# Allegro board rt1064_som_wifi.brd (continued)
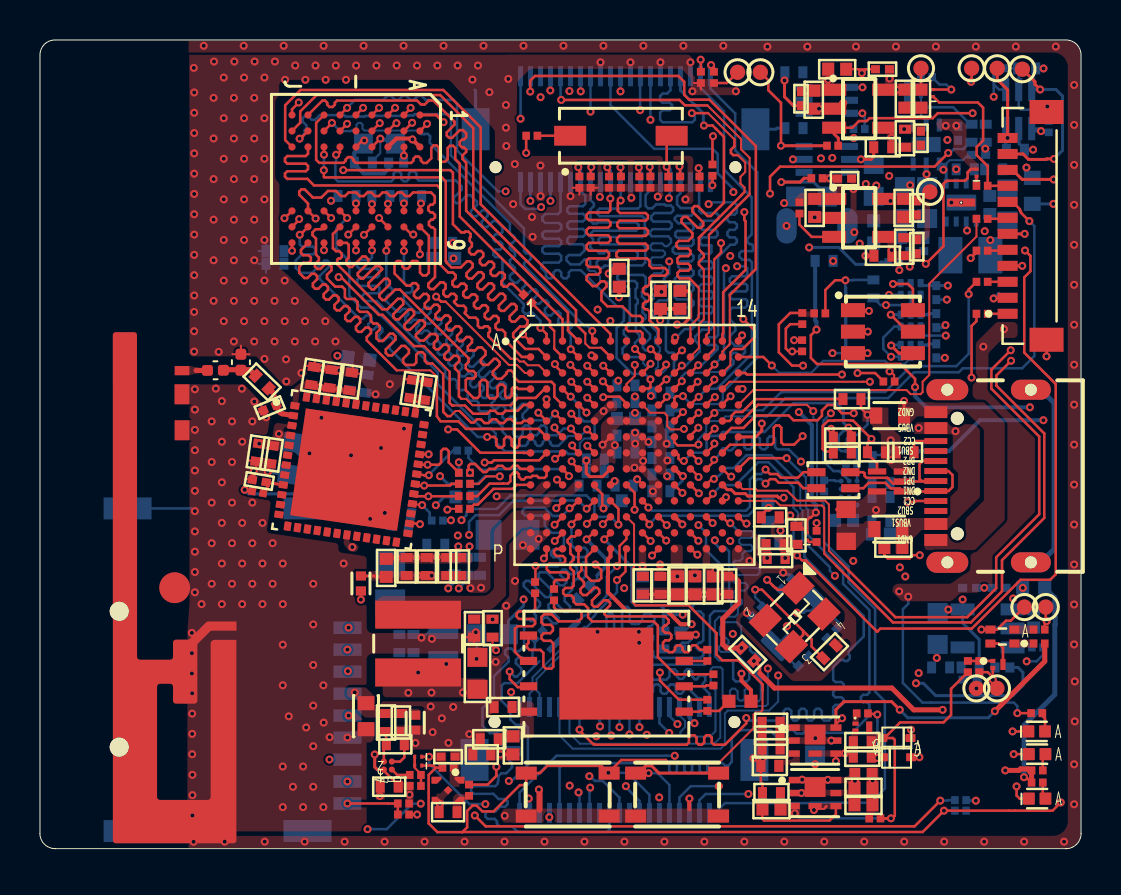
[diagram p0: board, top side]
## Routing (per net, layer and track width the routed paths; a pad name or vN(x,y) marks a point on that pad's centre or on a via; arc(x,y) is an arc through that point) (continued)
GND_EARTH: length 10.2
  BOTTOM w0.254: J2.G2 50.08,22.97 50.75,22.3 50.75,14.99 50.08,14.33 J2.G1
VBUS:
  vias: v1(43.97,21.05) v1(45.81,20.89)
VDD_1V1_CAP: length 0.3
  TOP w0.2: 31.76,13.82 31.9,13.68 C56.1 v1(31.9,13.63)
  BOTTOM w0.2: 31.82,13.63 v1(31.9,13.63)
VDD_2V5_CAP:
  vias: v1(30.16,14.15)
VDD_HIGH_IN_3V3: length 5.5
  TOP w0.25: C9.1 34.71,13.63 34.96,13.38 34.96,12.3 34.17,11.5 34.17,10.23 34.35,10.04 v1(35.1,10.04)
  BOTTOM w0.15: v1(33.81,13.95) 33.69,13.82 C51.1
VDD_SNVS_3V3: length 54.1
  TOP w0.127: v1(43.79,23.1) 43.79,23.51 43.05,24.25 38.88,24.25 38.58,24.56 38.58,25.7 v1(38.86,25.98) ; C142.1 37.85,16.13 38.06,16.13 38.38,15.81 ; 38.38,15.81 D11.A ; 38.38,15.81 38.38,16.46 38.5,16.57 38.58,16.57 v1(38.83,16.82)
  SIG1 w0.2: v1(49.54,22.09) 50.37,22.09 50.78,21.68 50.78,14.63 50.79,14.62 50.79,14.04 50.78,14.03 50.78,2.88 50.56,2.67 48.49,2.67 48.49,2.66 47.1,2.66 v1(46.83,2.4)
  SIG1 w0.25: v1(37.98,21.85) 38.61,22.48 38.61,24.03 38.86,24.28 v1(38.86,25.98)
  BOTTOM w0.15: R42.1 46.37,2.4 v1(46.83,2.4)
  BOTTOM w0.2: v1(38.83,16.82) 38.83,17.21 38.63,17.41 38.63,21.2 v1(37.98,21.85) ; v1(49.54,22.09) 44.34,22.09 43.79,22.64 v1(43.79,23.1) ; v1(38.86,25.98) 38.86,26.37 38.79,26.43 38.79,28.92 R131.2
VDD_SNVS_CAP: length 1.1
  TOP w0.127: 32.15,16.21 U3.M10
  TOP w0.2: v1(32.15,16.23) 31.77,16.61 U3.M10
  vias: v1(32.77,13.68)
VDD_SNVS_IN: length 1
  TOP w0.127: R41.2 v1(38.86,16.3) ; U3.M9 v1(31.36,16.19)
  vias: v1(31.03,14.22)
VDD_SOC_IN: length 1.7
  TOP w0.127: U3.H9 31.03,19.81 31.03,19.8 ; U3.G6 28.25,20.3 28.24,20.3 v1(28.15,20.22) ; U3.G9 30.97,20.61
  BOTTOM w0.2: C42.1 31.36,20.96 31.36,20.35 ; 31.36,20.35 v1(31.36,20.27) ; 31.36,20.35 C43.1
  vias: v1(20.91,15.67) v1(20.93,15.13) v1(21.5,15.12) v1(28.77,20.19) v1(31.4,19.43) v1(31.38,18.64)
VDD_USB_3V: length 2.9
  TOP w0.127: v1(29.88,18.49) 29.89,18.49 30.15,18.23 U3.K8
  BOTTOM w0.15: v1(24.2,12.48) 24.2,12.16 23.45,11.41 C106.1 ; C107.1 29.68,18.29 v1(29.88,18.49)
  BOTTOM w0.2: 29.82,18.49 v1(29.88,18.49)
VDD_WIFI: length 6.7
  TOP w0.127: U27.26 18.99,16.27 v1(19.02,16.24)
  TOP w0.15: 18.47,16.29 U27.26 ; R537.1 v1(10.25,17.96)
  BOTTOM w0.127: 12.67,20.02 C253.1
  BOTTOM w0.15: v1(10.24,17.96) 10.45,17.76 13,17.76 13.27,18.03 13.27,19.42 12.67,20.02
  vias: v1(10.98,20.27) v1(11.96,20.76) v1(14.02,23.09) v1(14.97,22.98) v1(15.63,15.09) v1(18.84,22.22)
VDDA_ADC_3V3:
  vias: v1(36.39,14.55)
#MR: length 1.5
  BOTTOM w0.102: D6.A D8.A 44.09,36.68 44.35,36.42 U2.5
DBG_RX: length 4.8
  TOP w0.15: TP4.1 47.9,38.5 48.42,37.98 v1(48.42,35.57)
  BOTTOM w0.15: R109.1 48.33,35.02 U16.3
DBG_TX: length 8.8
  TOP w0.15: J4.11 49.19,34.77 49.47,34.5 50.35,34.5 50.38,34.52 v1(50.74,34.52) ; v1(50.05,37.99) 49.79,38.25 49.79,38.38 TP5.1
  BOTTOM w0.15: U16.6 v1(50.05,37.99) 50.84,37.99 51.17,37.67 51.17,34.94 v1(50.74,34.52)
DC_5V_IN: length 19.5
  TOP w0.102: 39.83,6.22 v1(40.14,6.53)
  TOP w0.15: v1(43.02,6.95) 42.62,7.36 40.24,7.36 39.83,6.95 Q1.6
  TOP w0.25: R3.1 50.28,9.38 v1(47.78,6.88)
  BOTTOM w0.127: J6.19 28.5,5.75 v1(28.59,5.66) ; v1(31.9,6.23) 31.5,6.64 J6.31 ; J6.23 v1(29.5,5.72)
  BOTTOM w0.15: J6.15 27.5,7.46 ; v1(43.02,6.95) 43.42,6.55 47.46,6.55 v1(47.78,6.88)
  BOTTOM w0.18: J6.35 32.5,6.55 32.55,6.5 32.55,6.48 v1(32.75,6.28)
  vias: v1(27.84,5.62) v1(30.37,5.7) v1(38.8,5.53) v1(39.6,5.41)
DCDC_3V3: length 81.7
  TOP w0.102: v1(42.51,23.89) 42.56,23.89 42.74,23.7 42.74,23.4 R83.1
  TOP w0.127: R49.1 39.7,20.87 39.59,20.98 v1(39.59,21.01) ; R24.1 49.38,3.55 49.36,3.55 49.34,3.57 v1(49.24,3.57) ; 39.52,24.8 v1(39.66,24.8) ; v1(22.84,4.1) 22.84,3.64 22.4,3.21 R45.1 ; R56.1 v1(24.33,34.82) ; R58.1 39.3,27.96 39.79,28.45 v1(40.31,28.45) ; 46.42,33.84 46.42,33.56 46.29,33.43 45.39,33.43 45.36,33.4 45.34,33.4 45.21,33.28 45.21,30.15 v1(44.33,29.27) ; TP9.1 36.45,38.46 36.45,37.96 37.08,37.33 v1(37.08,35.18) ; C126.1 17.93,3.18 17.21,3.9 17.21,3.96 ; v1(47.72,27.54) 47.74,27.54 47.77,27.57 J4.2
  TOP w0.15: D12.A 46.59,34.01 46.42,33.84 ; 36.02,8.77 36.02,9.12 FB2.1 ; R23.1 v1(37.08,35.18) ; L12.1 v1(16.06,12.46) ; v1(16.75,4.71) 16.75,4.08 16.88,3.96 17.21,3.96
  TOP w0.16: v1(31.88,26.23) 32.18,26.23 32.56,26.61 32.56,27.76 32.4,27.92 FB5.1
  TOP w0.2: v1(28.46,28.78) 28.7,29.02 FB4.1
  TOP w0.25: R24.1 R132.1 49.49,3.92 49.41,3.99 49.07,3.99 49,3.92 v1(48.3,3.92) ; 36.02,8.77 36.76,8.04 42.63,8.04 43.72,6.95 v1(45.17,6.95)
  SIG1 w0.127: v1(39.66,24.8) 39.66,24.25 39.33,23.93 39.33,23.92 39.27,23.86 39.27,22.17 39.12,22.02 39.12,21.48 v1(39.59,21.01)
  SIG1 w0.25: v1(45.17,6.95) 45.17,4.43 45.68,3.92 v1(48.3,3.92)
  GND3 w0.2: 22.44,4.09 22.45,4.1 v1(22.84,4.1)
  GND3 w0.25: 22.44,4.09 20.63,4.09 19.24,2.7 v1(18.49,2.7)
  BOTTOM w0.102: FB9.1 36.97,15.36 37.06,15.45 v1(37.06,15.92)
  BOTTOM w0.127: v1(39.59,21.01) 39.59,19.42 39.75,19.26 R85.1 ; 40.32,28.08 40.31,28.09 v1(40.31,28.45) 40.66,28.45 40.67,28.46 R48.1 ; v1(39.66,24.8) R130.2 ; R107.1 50.47,36.41 49.9,36.98 49.09,36.98 48.98,37.09 48.98,37.24 48.98,37.24 U16.5 48.98,39 C112.2 48.31,39.05 R108.1 ; 44.85,25.24 C136.1 ; L4.1 v1(20.69,29.54)
  BOTTOM w0.15: U23.6 44.42,25.21 44.47,25.26 C136.1 ; U22.6 44.42,26.72 44.47,26.78 C127.1 ; R538.1 v1(14.88,24.67) ; v1(47.72,27.54) 47.98,27.8 ; v1(45.43,28.18) C128.1 44.2,28.18 U21.6
  BOTTOM w0.17: R130.2 R129.2 R128.1 40.32,28.08
  BOTTOM w0.25: R27.1 50.78,12.55 50.78,11.59 50.8,11.57 50.8,11.21 50.78,11.19 50.78,7.71 49.24,6.17 49.24,3.99 49.24,3.99 v1(49.24,3.57)
  vias: v1(35.73,9.39) v1(45.33,36.18) v1(45.86,36.18) v1(47.28,30.9) v1(47.56,30.46) v1(49.36,34.09)
DCDC_3V3_PG: length 15
  TOP w0.127: R23.2 39.94,35.19 ; U4.3 40.65,36.08 40.98,36.42 41.37,36.42 41.51,36.56 44.67,36.56 44.92,36.81 v1(46.67,36.81)
  TOP w0.15: R23.2 39.95,35.19 39.95,35.56 39.74,35.77 U4.3
  SIG1 w0.127: v1(46.39,30.94) 47.11,31.65 47.11,34.3 46.67,34.74 v1(46.67,36.81)
  BOTTOM w0.127: v1(46.39,30.94) 46.39,31 46.35,31.04 U1.6
DCDC_OUT: length 1.6
  TOP w0.17: v1(18.92,8.81) 19.9,8.81 v1(20.33,9.24)
  vias: v1(18.43,7.8) v1(19.59,7.81) v1(21.16,7.82)
DCDC_PSWITCH: length 9.4
  TOP w0.102: v1(25.87,18.47) 25.87,18.46 26.12,18.21 U3.K3
  SIG1 w0.102: v1(22.65,11.47) 22.65,12.06 23.16,12.56 23.16,16.97
  SIG1 w0.127: v1(25.87,18.47) 24.65,18.47 23.16,16.97
EN: length 1.7
  BOTTOM w0.127: Q5.3 40.89,19.63 40.89,19.63 R85.2 40.89,18.71 U11.A1
ENET_INT: length 46.8
  TOP w0.127: v1(46.62,23.58) 46.62,26.16 46.86,26.4 R113.1 ; U3.G13 34.6,21.06 35.2,21.06 35.83,21.68 37.46,21.68 37.71,21.44 38.91,21.44 39.13,21.66 39.13,21.93 39.41,22.21 39.72,22.21 40.13,21.79 v1(40.72,21.79)
  SIG1 w0.127: 43.21,20.91 44.26,19.85 44.26,16.27 43.27,15.28 43.27,14.39 43.83,13.83 43.83,9.2 40.16,5.53 40.16,5.34 39.74,4.91 37.63,4.91 v1(35.45,2.74) ; 43.21,20.91 43,21.12 41.6,21.12 41.4,21.12 v1(40.72,21.79) ; 43.21,20.91 43.26,20.96 43.26,21.35 43.99,22.08 46.43,22.08 46.87,22.51 46.87,23.33 v1(46.62,23.58)
  BOTTOM w0.127: v1(35.45,2.74) 33.31,2.74 33,2.43 J6.38
ENET_RST: length 50
  TOP w0.102: 37.83,22.22 38.38,22.22 v1(38.69,21.9)
  TOP w0.127: R111.1 46.86,29.85 v1(46.57,29.56) ; 37.83,22.22 35.93,22.22 35.12,21.41 U3.F14
  SIG1 w0.102: v1(38.69,21.9) 38.97,22.18 38.97,23.92 39.31,24.25 39.31,25.27 39.56,25.52 41.57,25.52 41.59,25.53 43.18,25.53 43.45,25.26 46.48,25.26 46.91,25.7 46.91,29.22 v1(46.57,29.56)
  BOTTOM w0.102: 39.23,15.35 39.23,17.26 38.89,17.6 38.89,21.37 38.69,21.56 v1(38.69,21.9)
  BOTTOM w0.127: 39.23,15.35 40.46,14.11 40.46,13.33 41.8,12 41.8,7.86 42.28,7.38 42.28,3.01 41.57,2.3 38.58,2.3 38.56,2.28 34.28,2.28 33.79,1.79 J6.40
FAULT#: length 9.4
  TOP w0.127: v1(40.91,23.8) 41.79,23.8 42.21,23.39 42.21,23.38
  SIG1 w0.127: v1(40.91,23.8) 40.52,24.19 39.97,24.19 39.58,23.79 v1(39.58,21.79)
  BOTTOM w0.127: U11.A2 40.49,18.41 40.01,18.9 39.7,18.9 39.21,19.39 39.21,21.42 v1(39.58,21.79)
FB_U4:
  vias: v1(42.61,35.58)
FLASH_D0: length 11
  TOP w0.127: U20.5 24.44,10.3 24.37,10.22 24.37,10.07 24.5,9.95 25.04,9.95 25.19,9.8 25.19,9.13 25.31,9.01 25.59,9.01 25.69,9.11 25.69,10.27 25.56,10.4 25.21,10.4 25.1,10.51 25.1,10.67 25.21,10.78 25.54,10.78 25.67,10.91 25.67,11.09 25.56,11.2 25.21,11.2 25.1,11.31 25.1,11.6 25.23,11.73 25.61,11.73 25.96,11.38 26.95,11.38 27.1,11.53 27.1,11.83 26.99,11.94 25.86,11.94 25.72,12.08 R100.1
FLASH_D1: length 1.5
  TOP w0.127: U20.2 33.29,8.12 33.34,8.17 R102.1
FLASH_D2: length 1.2
  TOP w0.127: U20.3 R103.1
FLASH_D3: length 5.1
  TOP w0.127: U20.7 24.41,8.08 23.91,8.08 23.5,8.48 v1(23.5,8.86)
  BOTTOM w0.127: R104.1 24.76,10.49 24.76,10.06 24.65,9.94 24.65,9.5 24.51,9.36 24.33,9.36 24.13,9.56 23.93,9.56 23.82,9.44 23.82,9.28 24.09,9.01 24.09,8.83 23.87,8.61 23.82,8.61 23.81,8.61 23.75,8.61 v1(23.5,8.86)
FLASH_V: length 0.2
  TOP w0.15: 24.42,6.81 24.19,6.81
FLASH_VCC: length 10.7
  TOP w0.127: R97.1 35.58,7.37
  TOP w0.2: 35.58,7.37 35.58,7.93 35.1,8.41 v1(35.1,8.76) ; FB8.2 v1(23.04,4.72)
  BOTTOM w0.15: FB7.1 36.94,16.36 37.22,16.36 v1(37.55,16.68) ; v1(43.84,8.28) 44.2,8.28 44.82,7.66 46.69,7.66 46.7,7.64 47.02,7.64 47.03,7.66 48.68,7.66 49.19,8.16 49.19,8.82 48.94,9.07 L11.2
  vias: v1(43.03,14.08) v1(43.3,13.62) v1(43.97,8.79)
FLEXSPI_CLK: length 10.6
  TOP w0.127: R105.1 24.81,13.4 24.8,13.41 v1(24.8,14.15) ; U3.L4 26.93,17.41 26.58,17.06 26.52,17.06 v1(26.5,17.03)
  SIG1 w0.127: v1(26.5,17.03) 26.52,17.06 26.54,17.06
  BOTTOM w0.127: v1(24.8,14.15) 25.04,14.15 25.06,14.13 25.9,14.13 26.05,14.28 26.05,14.46 25.92,14.59 25.69,14.59 25.58,14.7 25.58,14.86 25.69,14.97 25.98,14.97 26.22,15.2 26.22,15.68 26.09,15.81 25.6,15.81 25.27,16.15 25.27,16.54 25.13,16.67 24.28,16.67 24.15,16.8 24.15,16.93 24.28,17.06 25.26,17.06 25.66,16.65 26.12,16.65 v1(26.5,17.03)
FLEXSPI_DATA0: length 5.1
  TOP w0.127: R100.2 25.72,13.35 25.83,13.45 26.34,13.45 26.45,13.56 26.45,13.72 26.34,13.83 25.52,13.83 25.36,13.98 25.36,14.14 25.49,14.27 26.17,14.27 26.28,14.38 26.28,14.54 26.17,14.65 25.83,14.65 25.83,14.66 25.73,14.76 25.73,14.9 25.72,14.9 25.83,15.01 U3.P3
FLEXSPI_DATA1: length 14.6
  TOP w0.127: U3.N4 26.77,15.63 26.58,15.63 26.4,15.45 26.4,15.33 26.5,15.24 26.5,15.24 26.54,15.24 26.54,14.89 26.54,14.77 26.71,14.61 26.71,14.47 26.53,14.29 26.53,14.04 26.69,13.88 26.71,13.88 26.71,13.16 26.6,13.05 26.29,13.05 26.18,12.94 26.18,12.78 26.29,12.67 26.6,12.67 26.71,12.56 26.71,12.36 26.83,12.23 27.23,12.23 27.43,12.03 27.43,11.58 27.63,11.37 30.71,11.37 30.92,11.17 30.92,9.59 31.78,8.72 33.33,8.72 33.34,8.73 R102.2
FLEXSPI_DATA2: length 14.9
  TOP w0.127: U3.P4 26.95,14.75 26.94,14.75 26.94,14.32 27.1,14.16 27.1,13.94 26.94,13.78 26.94,13.62 27.22,13.34 27.22,13.16 27.19,13.13 27.18,13.13 27.05,13 27.05,12.82 27.17,12.69 27.35,12.69 27.72,13.06 27.88,13.06 27.99,12.94 27.99,12.79 27.62,12.42 27.62,12.21 27.72,12.11 27.91,12.11 28.22,12.43 28.41,12.43 28.53,12.3 28.53,12.18 28.24,11.89 28.24,11.74 28.36,11.62 31.28,11.62 31.46,11.44 31.46,11.31 31.34,11.18 31.28,11.18 31.17,11.07 31.17,10.91 31.28,10.8 31.49,10.8 31.59,10.7 31.59,10.54 31.48,10.42 31.29,10.42 31.18,10.31 31.18,10.04 31.29,9.93 31.39,9.93 31.48,9.83 31.66,9.83 31.78,9.95 31.78,10.06 31.88,10.17 32.05,10.17 32.16,10.06 32.16,9.95 32.27,9.83 32.43,9.83 32.55,9.95 32.55,10.07 32.66,10.18 32.82,10.18 32.93,10.07 32.93,10.05 33.03,9.96 R103.2
FLEXSPI_DATA3: length 11.1
  TOP w0.127: v1(27.8,14.22) 28.08,13.94 28.08,13.53 27.96,13.41 27.59,13.41 27.33,13.66 27.33,14.58 U3.P5
  BOTTOM w0.127: R104.2 25.14,10.91 25.14,11.47 25.24,11.56 25.39,11.56 25.68,11.27 25.84,11.27 25.95,11.39 25.95,11.54 25.45,12.05 25.45,12.21 25.57,12.33 25.78,12.33 26.26,11.85 26.42,11.85 26.53,11.96 26.53,12.12 26.25,12.4 26.25,12.58 26.63,12.96 26.63,13.28 26.85,13.5 27.16,13.5 27.16,13.49 27.27,13.6 27.27,13.86 27.1,14.03 27.1,14.23 27.2,14.33 27.34,14.33 27.44,14.22 v1(27.8,14.22)
FLEXSPI_SS0: length 15.7
  TOP w0.127: 25.86,17.06 v1(25.84,17.04) ; 25.86,17.06 25.86,17.06 26.15,17.35 26.15,17.35 ; 25.86,17.06 26.15,17.35 ; v1(31.02,8.81) 31.02,8.41 31.98,7.45 R101.1 ; 26.15,17.35 U3.L3
  SIG1 w0.102: 28.55,16.37 28.55,16.12 29.72,14.95
  SIG1 w0.127: v1(31.02,8.81) 30.72,9.12 30.72,12.8 29.72,13.8 29.72,14.95 ; 28.55,16.37 28.29,16.63 26.24,16.63 v1(25.84,17.04)
GPIO_AD_B0_00: length 47.4
  TOP w0.127: U3.M14 35.29,16.27 v1(35.36,16.27) ; v1(37.89,14.68) 38.14,14.43 38.33,14.43 41.89,10.86 42.05,11.01 46.63,11.01 49.07,13.46 50.55,13.46 50.83,13.73 50.83,23.25 49.25,24.83 49.25,28.59 49.56,28.9 49.56,29.67 v1(49.29,29.94)
  SIG1 w0.127: v1(42.34,27.21) 43.06,27.21 45.79,29.94 v1(49.29,29.94) ; v1(35.36,16.27) 35.36,15.66 35.93,15.08 37.48,15.08 v1(37.89,14.68)
  BOTTOM w0.127: U21.2 43.57,27.35 43.43,27.21 v1(42.34,27.21) 42.06,27.21 R48.2
GPIO_AD_B0_03: length 18.3
  TOP w0.127: U3.G11 32.55,20.67 v1(32.94,21.07)
  SIG1 w0.127: v1(45.33,25.68) 44.97,25.68 44.31,26.34 38.57,26.34 38.22,25.99 38.22,24.73 35.26,21.77 34.48,21.77 34.13,21.42 33.29,21.42 v1(32.94,21.07)
  BOTTOM w0.127: 43.57,26.13 43.57,25.86 43.75,25.68 v1(45.33,25.68)
  BOTTOM w0.15: v1(45.33,25.68) 45.33,25.68
GPIO_AD_B0_04: length 8
  TOP w0.127: R72.2 v1(37.74,25.45) ; U3.F11 v1(32.96,21.81)
  SIG1 w0.127: 33,21.81 v1(32.96,21.81) 33.37,22.22 35.27,22.22 36.99,23.94 36.99,25.05 37.38,25.45 v1(37.74,25.45)
GPIO_AD_B0_05: length 9.7
  TOP w0.127: v1(38.19,24.17) 37.64,24.17 36.97,24.84 36.97,26.24 37.54,26.81 R73.2
  TOP w0.15: U3.G14 35.81,20.61 36.12,20.91 v1(36.12,21.28)
  SIG1 w0.127: v1(36.12,21.28) 36.37,21.53 36.37,21.54 38.19,23.36 v1(38.19,24.17)
GPIO_AD_B1_04: length 40.5
  TOP w0.127: v1(33.67,17.77) 33.66,17.76 33.66,17.7 33.38,17.43 33.37,17.43 U3.L12 ; v1(35.34,6.54) 35.34,6.27 34.28,5.2 33.73,5.2 33.62,5.31 33.62,5.56 33.51,5.67 33.35,5.67 33.24,5.56 33.24,5.31 33.12,5.2 32.97,5.2 32.86,5.31 32.86,5.56 32.74,5.67 32.59,5.67 32.47,5.56 32.47,5.31 32.36,5.2 27.75,5.2 27.72,5.23 27.68,5.23 27,5.91 v1(27,5.96)
  BOTTOM w0.102: 37.93,16.53 37.93,16.83 37.71,17.06
  BOTTOM w0.127: v1(33.67,17.77) 34.1,18.19 34.8,18.19 35.95,19.34 36.46,19.34 37.71,18.09 37.71,17.06 ; 37.93,16.53 37.71,16.31 37.71,15.42 38.25,14.88 38.25,14.6 41.22,11.63 41.22,10.62 40.47,9.87 40.47,9.71 40.52,9.66 40.52,9.51 40.41,9.39 40.25,9.39 40.2,9.44 40.04,9.44 39.69,9.09 39.69,8.45 39.8,8.34 40.11,8.34 40.22,8.23 40.22,8.07 40.11,7.96 39.8,7.96 39.69,7.84 39.69,7.69 39.8,7.58 40.11,7.58 40.22,7.46 40.22,7.31 40.11,7.19 39.8,7.19 39.69,7.08 39.69,6.62 39.48,6.41 39.23,6.41 39.12,6.52 39.12,6.89 39.01,7 38.85,7 38.74,6.89 38.74,6.52 38.63,6.41 38.47,6.41 38.36,6.52 38.36,6.89 38.25,7 38.09,7 37.98,6.89 37.98,6.52 37.87,6.41 37.71,6.41 37.6,6.52 37.6,6.89 37.49,7 37.33,7 37.22,6.89 37.22,6.52 37.11,6.41 35.5,6.41 35.42,6.49 35.4,6.49 v1(35.34,6.54) ; J6.13 v1(27,5.96)
GPIO_AD_B1_05: length 40.4
  TOP w0.127: U3.K12 33.35,18.23 33.67,18.54 33.71,18.54 33.73,18.52 v1(33.73,18.5)
  SIG1 w0.127: v1(39.78,13.65) 39.78,10.42 38.74,9.37 38.73,9.38 38.22,9.38 37.7,8.86 37.7,8.42 37.57,8.29 36.6,8.29 36.27,8.62 35.65,8.62 35.32,8.29 34.7,8.29 34.46,8.54 34.46,10.08 34.27,10.27 33.96,10.27 33.84,10.15 33.84,8.68 33.74,8.58 33.56,8.58 33.38,8.76 33.37,8.76 33.24,8.88 33.24,10.08 33.07,10.25 32.82,10.25 32.65,10.08 32.65,8.74 32.47,8.56 32.29,8.56 32.05,8.8 32.05,10.4 31.88,10.58 31.64,10.58 31.51,10.45 31.51,8.45 31.35,8.29 31.02,8.29 30.51,8.8 30.14,8.8 29.68,8.34 29.68,8.29 28.03,6.64 v1(28.03,6.12)
  BOTTOM w0.102: 38.16,15.45 38.16,16.93 38.05,17.04 38.05,18.24
  BOTTOM w0.127: v1(39.78,13.65) 39.53,13.91 39.53,14.08 38.16,15.45 ; 38.05,18.24 36.6,19.69 35.36,19.69 34.71,19.05 34.36,19.05 33.95,18.64 33.75,18.64 33.73,18.62 v1(33.73,18.5) ; J6.17 28,6.4 28.02,6.38 28.02,6.12 v1(28.03,6.12)
GPIO_AD_B1_06: length 39.9
  TOP w0.127: U3.J12 33.73,19.38 33.73,19.45 v1(33.74,19.46)
  SIG1 w0.127: v1(29,6.08) 29,7.21 29.81,8.03 29.82,8.03 30.13,8.33 30.43,8.33 30.73,8.03 31.56,8.03 31.85,8.31 32.03,8.31 32.32,8.03 32.65,8.03 32.94,8.31 33.12,8.31 33.4,8.04 33.6,8.04 33.6,8.03 33.71,8.03 34,8.32 34.18,8.32 34.51,7.98 35.57,7.98 35.9,8.31 36.08,8.31 36.42,7.97 37.76,7.97 38.12,8.32 38.12,8.73 38.44,9.05 38.84,9.05 40.11,10.32 40.11,10.59 40.22,10.7 40.32,10.7 40.44,10.81 40.44,10.97 40.32,11.08 40.27,11.08 40.16,11.2 40.16,14.07 39.31,14.92 39.31,15.74 39.43,15.87 39.73,15.87 40.52,16.65 40.56,16.65 40.56,16.9 40.44,17.01 40.28,17.01 39.9,16.63 39.75,16.63 39.63,16.74 39.63,16.9 40.01,17.28 40.01,17.44 39.9,17.55 39.75,17.55 39.36,17.17 39.21,17.17 39.09,17.28 39.09,17.44 39.48,17.82 39.48,17.98 39.36,18.09 39.21,18.09 38.83,17.71 38.67,17.71 38.56,17.82 38.56,17.98 38.94,18.36 38.94,18.52 v1(38.08,19.37)
  BOTTOM w0.127: v1(33.74,19.46) 33.99,19.71 33.99,19.72 34.07,19.81 34.07,19.93 34.18,20.04 34.34,20.04 34.44,19.94 34.6,19.94 34.86,20.2 34.86,20.49 34.97,20.6 35.13,20.6 35.24,20.49 35.24,20.1 35.35,19.99 35.53,19.99 35.64,20.1 35.64,20.52 35.75,20.63 35.91,20.63 36.02,20.52 36.02,20.1 36.13,19.99 36.29,19.99 36.4,20.1 36.4,20.52 36.52,20.63 36.67,20.63 36.79,20.52 36.79,20.1 36.9,19.98 37.46,19.98 37.47,19.99 v1(38.08,19.37) ; J6.21 v1(29,6.08)
GPIO_AD_B1_07: length 39.7
  TOP w0.127: U3.K10 31.75,18.2 v1(32.15,17.81)
  SIG1 w0.102: 34.51,19.94 34.09,19.51 34.09,19.32 33.88,19.11 33.59,19.11 33.46,19.24 33.31,19.24 33.15,19.08 33.15,19.08 33.1,19.04 32.87,19.04
  SIG1 w0.12: 29.8,6.93 30,6.93 30.11,7.04 30.11,7.18 30.06,7.24 29.95,7.24 29.81,7.38
  SIG1 w0.127: 29.8,6.93 29.39,6.93 29.29,6.83 29.29,6.64 29.45,6.47 29.9,6.47 30,6.38 30,6.38 v1(30,6.08) ; 34.51,19.94 38.1,19.94 40.79,17.25 40.79,16.51 41,16.3 41,16 40.88,15.89 40.16,15.89 40.05,15.78 40.05,15.62 40.16,15.51 40.94,15.51 41.05,15.39 41.05,15.24 40.94,15.13 40.29,15.13 40.16,15 40.16,14.9 40.3,14.77 40.91,14.77 41.06,14.62 41.06,12.72 40.92,12.58 40.51,12.58 40.4,12.47 40.4,12.31 40.51,12.2 40.92,12.2 41.03,12.09 41.03,11.93 40.92,11.82 40.51,11.82 40.4,11.71 40.4,11.55 40.83,11.12 40.83,10.6 37.9,7.66 32.5,7.66 32.37,7.8 32.02,7.8 31.94,7.71 30.69,7.71 30.47,7.5 30.24,7.5 30.08,7.66 29.94,7.66 29.81,7.52 29.81,7.38 ; v1(32.15,17.81) 32.59,18.24 32.59,18.48 32.59,18.49 32.59,18.75 32.87,19.04
  BOTTOM w0.127: J6.25 v1(30,6.08)
GPIO_AD_B1_08: length 40.9
  TOP w0.127: U3.H13 34.15,19.84 34.52,20.21 35.54,20.21 35.55,20.22 36.61,20.22 36.72,20.33 36.72,21.07 36.83,21.18 36.99,21.18 37.1,21.07 37.1,20.33 37.21,20.22 37.74,20.22 v1(38.17,20.65)
  SIG1 w0.127: v1(31.49,5.79) 31.18,5.48 31.18,5.3 31.41,5.07 31.94,5.07 32.07,5.2 32.07,5.63 32.35,5.91 32.35,6.51 32.23,6.63 31.65,6.63 31.52,6.76 31.52,6.94 31.65,7.07 33.2,7.07 33.32,6.94 33.32,6.14 32.61,5.43 32.61,5.09 32.71,4.99 33.05,4.99 33.16,5.1 33.16,5.25 33.27,5.36 33.43,5.36 33.54,5.25 33.54,5.1 33.65,4.99 33.84,4.99 34.39,5.53 34.39,5.82 33.96,6.24 33.96,6.83 34.09,6.96 38.2,6.96 41.66,10.42 41.66,16.5 41.4,16.76 41.4,17.76 38.52,20.65 v1(38.17,20.65)
  BOTTOM w0.127: J6.29 31,6.28 v1(31.49,5.79)
GPIO_AD_B1_09: length 40.3
  TOP w0.127: U3.M13 34.15,16.61 34.47,16.29 v1(34.55,16.29)
  BOTTOM w0.102: 35.09,10.6 35.09,11.11 34.87,11.33 34.26,11.33 34.03,11.1 34.03,10.7 34.18,10.55 34.33,10.55 34.46,10.42 34.46,10.28 34.37,10.19 34.08,10.19 33.98,10.09 33.98,9.95 34.08,9.85 34.72,9.85 ; J6.33 32.02,7.06 32.02,6.65 32.28,6.39 32.28,6.08 32.05,5.85 32.05,5.71 32.15,5.61 33.53,5.61 33.8,5.88 33.8,7.91 33.57,8.15 33.57,8.98 33.67,9.08 34.06,9.08 34.16,8.98 34.16,7.52 34.26,7.42 34.43,7.42 34.53,7.52 34.53,7.9 34.63,8.01 34.77,8.01 34.91,7.87 34.91,7.51 35.01,7.41 35.16,7.41 35.26,7.52 35.26,7.93 35.37,8.03 35.51,8.03 35.61,7.93 35.61,7.52 35.76,7.37 35.96,7.37 36.08,7.5 ; 34.68,9.31 34.58,9.41 33.97,9.41 33.77,9.61 33.77,11.39 34,11.61 34.78,11.61 34.93,11.75 34.93,12.07 35.13,12.28 35.13,12.42 35.03,12.52 34.79,12.52 34.7,12.61 34.7,12.82 34.8,12.92 35.27,12.92 35.4,13.05 35.4,13.19 35.3,13.29 34.79,13.29 34.7,13.38 34.7,13.6 34.8,13.7 35.92,13.7 36.02,13.8 36.02,13.94 35.91,14.05 34.79,14.05 34.7,14.14 34.7,14.32 34.79,14.41 35.04,14.41 35.16,14.53 35.16,14.76 35.28,14.88 35.56,14.88 35.66,14.99 35.66,15.11 35.56,15.21 35.1,15.21 34.99,15.32 34.99,15.46 35.08,15.55 35.59,15.55 35.69,15.65 35.69,15.8 35.6,15.89 34.94,15.89
  BOTTOM w0.127: 35.09,10.6 35.53,10.16 35.53,9.93 35.67,9.8 35.88,9.8 36.19,9.48 36.19,9.3 36.15,9.27 36.15,9.26 35.85,8.95 35.85,8.68 35.95,8.58 35.96,8.58 36.08,8.45 36.08,7.5 ; 34.72,9.85 35.49,9.07 35.49,8.5 35.37,8.37 34.81,8.37 34.68,8.5 34.68,9.31 ; v1(34.55,16.29) 34.94,15.89
GPIO_AD_B1_10: length 39.8
  TOP w0.127: U3.L13 34.15,17.41 v1(34.33,17.59)
  SIG1 w0.127: v1(34.33,17.59) 34.01,17.27 32.48,17.27 32.35,17.14 32.35,16.8 v1(32.95,16.19)
  BOTTOM w0.102: 28.85,7.75 29.04,7.75
  BOTTOM w0.127: 29.04,7.75 29.15,7.86 29.15,8.11 29.26,8.22 29.42,8.22 29.53,8.11 29.53,7.86 29.65,7.75 29.8,7.75 29.92,7.86 29.92,8.11 30.03,8.22 30.18,8.22 30.3,8.11 30.3,7.86 30.41,7.75 30.57,7.75 30.68,7.86 30.68,8.11 30.79,8.22 30.95,8.22 31.06,8.11 31.06,7.86 31.17,7.75 31.33,7.75 31.44,7.86 31.44,8.11 31.55,8.22 31.71,8.22 31.82,8.11 31.82,7.86 31.93,7.75 32.09,7.75 32.2,7.86 32.2,8.11 32.31,8.22 32.47,8.22 32.58,8.11 32.58,7.88 33,7.46 J6.37 ; 28.85,7.75 28.74,7.86 28.74,8.11 28.63,8.22 28.47,8.22 28.36,8.11 28.36,7.86 28.25,7.75 27.67,7.75 27.41,8.01 26.18,8.01 26.05,8.14 26.05,8.48 28.35,10.78 28.35,11.64 28.46,11.75 28.62,11.75 28.73,11.64 28.73,10.89 28.86,10.76 29.02,10.76 29.13,10.87 29.13,11.99 29.24,12.1 29.4,12.1 29.51,11.99 29.51,11.36 29.62,11.25 29.96,11.25 30.13,11.42 30.13,11.61 30.29,11.76 30.53,11.76 30.75,11.54 30.75,11.31 30.57,11.13 30.47,11.13 30.36,11.02 30.36,10.86 30.47,10.75 30.57,10.75 30.68,10.64 30.68,10.48 30.57,10.37 30.47,10.37 30.36,10.25 30.36,10.1 30.47,9.99 30.57,9.99 30.68,9.87 30.68,9.67 30.81,9.54 33.05,9.54 33.19,9.68 33.19,9.81 33.08,9.93 32.98,9.93 32.87,10.04 32.87,10.2 32.98,10.31 33.07,10.31 33.2,10.43 33.2,11.72 33.04,11.88 32.77,11.88 32.65,11.99 32.65,12.14 32.77,12.26 33.97,12.26 34.05,12.34 34.06,12.34 34.19,12.46 34.19,14.1 33.33,14.95 33.33,15.82 v1(32.95,16.19)
GPIO_AD_B1_11: length 39.7
  TOP w0.127: U3.J13 34.54,18.62 v1(34.59,18.62)
  SIG1 w0.127: v1(34.59,18.62) 34.89,18.32 34.89,17.22 34.54,16.87 34.38,16.87 34.28,16.97 34.12,16.97 34.01,16.86 34.01,16.7 34.11,16.6 34.11,16.44 34.02,16.35 34.02,15.69 v1(33.77,15.43)
  BOTTOM w0.127: v1(33.77,15.43) 33.77,15.28 33.97,15.07 34.1,15.07 34.11,15.08 34.29,15.08 34.48,14.88 34.48,12.44 34.6,12.32 34.6,12.01 34.47,11.89 33.74,11.89 33.52,11.67 33.52,9.48 33.25,9.21 30.46,9.21 30.31,9.35 30.31,9.6 30.2,9.71 30.04,9.71 29.93,9.6 29.93,9.35 29.82,9.24 29.66,9.24 29.55,9.35 29.55,10.48 29.44,10.59 29.28,10.59 29.17,10.48 29.17,9.36 29.05,9.25 28.9,9.25 28.78,9.36 28.78,10.46 28.67,10.57 28.52,10.57 28.4,10.46 28.4,9.36 28.28,9.24 28.07,9.24 27.95,9.35 27.95,9.56 27.83,9.69 27.65,9.69 27.51,9.55 27.51,9.29 27.34,9.12 27.08,9.12 26.51,8.55 26.51,8.37 26.64,8.25 26.95,8.25 27.08,8.38 27.08,8.66 27.2,8.78 27.35,8.78 27.46,8.66 27.46,8.38 27.58,8.27 27.76,8.27 27.89,8.39 27.89,8.85 28,8.96 28.16,8.96 28.27,8.85 28.27,8.6 28.38,8.49 28.54,8.49 28.65,8.6 28.65,8.85 28.76,8.96 28.92,8.96 29.03,8.85 29.03,8.6 29.14,8.49 29.3,8.49 29.41,8.6 29.41,8.85 29.52,8.96 29.68,8.96 29.79,8.85 29.79,8.6 29.91,8.49 30.06,8.49 30.17,8.6 30.17,8.85 30.29,8.96 30.44,8.96 30.56,8.85 30.56,8.6 30.7,8.45 30.87,8.45 30.87,8.45 31.17,8.45 31.17,8.45 31.34,8.45 31.5,8.61 31.5,8.86 31.61,8.97 31.77,8.97 31.88,8.86 31.88,8.61 31.99,8.5 32.15,8.5 32.26,8.61 32.26,8.86 32.38,8.97 32.53,8.97 32.64,8.86 32.64,8.6 32.77,8.48 32.86,8.48 33.01,8.66 33.19,8.66 33.29,8.59 33.29,8.4 33.16,8.23 33.16,8.1 33.5,7.75 J6.39
GPIO_AD_B1_12: length 40.4
  TOP w0.127: v1(33.75,20.27) 33.75,20.2 U3.H12
  SIG1 w0.127: v1(33.75,20.27) 34,20.52 37.31,20.52 37.84,21.05 38.59,21.05 42.26,17.38 42.26,15.43 42,15.18 42,10.18 38.44,6.61 36.08,6.61 34.15,4.68 32.15,4.68 32.12,4.65 v1(31.76,4.65)
  BOTTOM w0.127: v1(31.76,4.65) 31.33,4.65 25.84,4.65 24,2.8 J6.2
GPIO_AD_B1_13: length 40.3
  TOP w0.127: U3.H11 v1(32.96,19.4)
  SIG1 w0.127: v1(32.96,19.4) 33.46,19.91 33.9,19.91 33.91,19.92 33.98,19.92 34.31,20.25 38.33,20.25 41.12,17.46 41.12,16.64 41.32,16.44 41.32,10.59 38.07,7.35 31.34,7.35 30.88,6.88 30.88,3.51 29.62,2.26 24.71,2.26 v1(24.46,2.51)
  BOTTOM w0.127: v1(24.46,2.51) 24.5,2.47 J6.4
GPIO_AD_B1_14: length 40.5
  TOP w0.127: v1(33.76,21.02) U3.G12
  SIG1 w0.127: v1(33.76,21.02) 33.87,20.91 35.97,20.91 35.97,20.91 36.27,20.91 36.27,20.91 37.12,20.91 37.65,21.44 38.64,21.44 39.5,20.58 39.73,20.58 42.62,17.69 42.62,15.22 42.31,14.92 42.31,9.89 38.69,6.27 36.31,6.27 34.21,4.17 33.4,4.17 32.59,3.36 32.43,3.36 32.33,3.46 32.17,3.46 32.06,3.35 32.06,3.19 32.16,3.09 32.16,2.93 32.05,2.82 31.89,2.82 31.76,2.95 31.6,2.95 31.49,2.83 31.49,2.68 31.62,2.55 31.62,2.39 31.06,1.83 25.74,1.83 v1(25.49,1.57)
GPIO_AD_B1_15: length 40.3
  TOP w0.127: U3.J14 35.48,19.54 v1(37.36,19.54)
  BOTTOM w0.102: 38.33,18.58 38.33,17.08 38.44,16.97 38.44,15.68
  BOTTOM w0.127: 38.44,15.68 40.19,13.93 40.19,13.25 41.51,11.93 41.51,7.81 41.4,7.7 41.19,7.7 41.08,7.59 41.08,7.43 41.19,7.32 41.4,7.32 41.51,7.21 41.51,6.67 40.82,5.98 40.82,5.97 40.65,5.8 39.34,5.8 39.08,6.06 38.47,6.06 38.18,5.76 37.86,5.76 37.69,5.93 37.18,5.93 37.07,5.82 37.07,5.75 36.96,5.64 36.8,5.64 36.69,5.75 36.69,5.82 36.58,5.93 35.04,5.93 34.62,5.51 34.62,4.35 34.46,4.16 34.3,4.15 34.15,4.28 33.51,4.28 33.39,4.17 33.39,3.9 33.28,3.79 33.12,3.79 33.01,3.9 33.01,4.17 32.9,4.28 32.74,4.28 32.63,4.17 32.63,3.9 32.52,3.79 32.36,3.79 32.25,3.9 32.25,4.17 32.14,4.28 31.98,4.28 31.87,4.17 31.87,3.9 31.76,3.79 31.6,3.79 31.49,3.9 31.49,4.17 31.38,4.28 26.22,4.28 26,4.05 J6.10 ; v1(37.36,19.54) 38.33,18.58